# Allegro board MYD-Y6ULX_TEST_V10A.brd (continued)
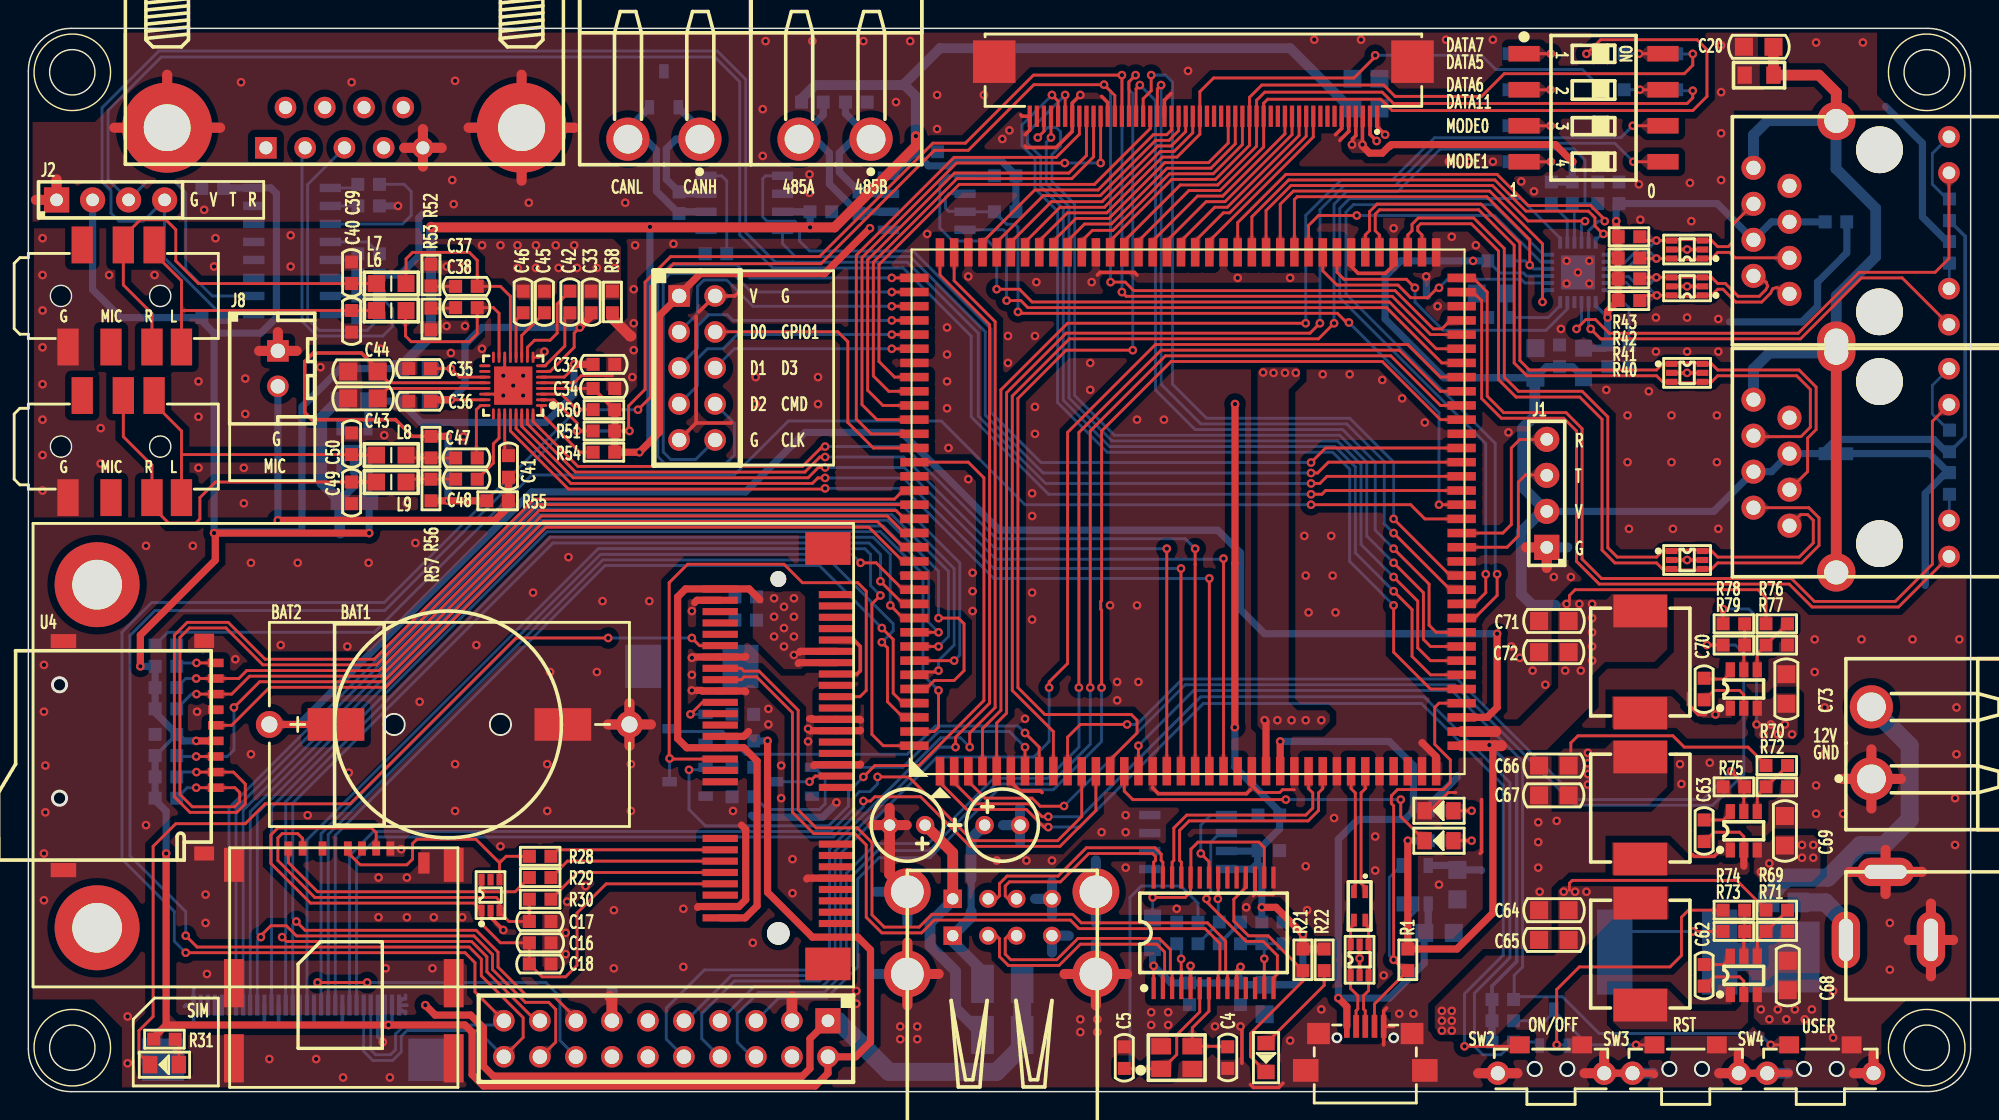
[diagram p0: board, top side]
## Routing (per net, layer and track width the routed paths; a pad name or vN(x,y) marks a point on that pad's centre or on a via; arc(x,y) is an arc through that point) (continued)
CSI_DATA5: length 92.3
  TOP w0.203: J14.17 35.8,5 32.34,8.46 32.34,9.51 31.26,10.59 18.21,10.59 v1(17.9,10.9) ; U1.131 61.7,33.4 v1(60.8,34.3)
  BOTTOM w0.203: v1(60.8,34.3) 60.8,37.9 59.6,39.1 36.8,39.1 18.15,20.45 18.15,11.15 v1(17.9,10.9) 18.15,10.65 J11.17
CSI_DATA6: length 92.1
  TOP w0.203: v1(60.1,36) 61.7,34.4 U1.130 ; J14.15 38.62,5.18 37.11,6.69 35.22,6.69 33.13,8.78 33.13,9.84 31.59,11.38 19.52,11.38 v1(18.9,12)
  BOTTOM w0.203: v1(60.1,36) 60.1,37.9 59.3,38.7 37,38.7 18.65,20.35 18.65,12.25 v1(18.9,12) 18.65,11.75 J11.16
CSI_DATA7: length 85.6
  TOP w0.203: v1(58.7,37.3) 59.8,37.3 61.7,35.4 U1.129 ; v1(23.9,7.7) v1(20.4,7.7)
  BOTTOM w0.203: J11.12 20.65,7.45 v1(20.4,7.7) 20.65,7.95 20.65,18.19 40.36,37.9 58.1,37.9 v1(58.7,37.3) ; J14.16 38.62,2.48 37.5,3.6 37.5,6.7 36.5,7.7 v1(23.9,7.7)
CSI_HSYNC: length 70.1
  TOP w0.203: v1(60.2,31.7) 60.6,31.3 60.6,27.5 61.7,26.4 U1.138
  BOTTOM w0.203: J11.11 21.15,18.14 40.52,37.51 56.49,37.51 61,33 61,32.5 v1(60.2,31.7)
CSI_MCLK: length 76.6
  TOP w0.203: v1(60.1,35) 59.5,34.4 59.5,25.2 60.3,24.4 U1.140
  BOTTOM w0.203: v1(60.1,35) 59.4,35.7 59.4,37.9 59,38.3 40.2,38.3 19.65,17.75 J11.14
CSI_PIXCLK: length 82.3
  TOP w0.203: U1.139 63.9,25.4 64.2,25.7 v1(64.2,28.3)
  BOTTOM w0.203: J11.19 17.15,20.05 36.6,39.5 60.1,39.5 63.1,36.5 63.1,29.4 v1(64.2,28.3)
CSI_VSYNC: length 67
  TOP w0.203: U1.137 61.7,27.4 61,28.1 61,31.9 v1(60.2,32.7)
  BOTTOM w0.203: v1(60.2,32.7) 55.79,37.11 40.68,37.11 21.65,18.08 J11.10
DN: length 7.9
  TOP w0.203: USB1.2 93.65,5.71 93.77,5.83 93.77,6.77 93.27,7.28 U3.1 93.24,8.23 93.24,10.37 U3.6 93.27,11.56 93.5,11.8 L1.3
DP: length 7.8
  TOP w0.203: USB1.3 94.3,5.71 94.18,5.83 94.18,6.77 94.53,7.13 U3.3 94.6,8.27 94.6,10.33 U3.4 94.53,11.56 94.3,11.8 L1.4
ENET2_CRS_DV: length 20.4
  TOP w0.203: v1(93.7,61.8) 91,61.8 90.3,61.1 U1.80
  BOTTOM w0.203: U12.11 106.67,58.53 103.4,61.8 v1(93.7,61.8)
ENET2_RXD0: length 18.6
  TOP w0.203: v1(99.5,56.7) 99.4,56.6 99.3,56.6 98.7,56 97.5,56 96.61,56.89 92.31,56.89 91.3,57.9 U1.79
  BOTTOM w0.203: v1(99.5,56.7) 100.1,57.3 105.3,57.3 105.56,57.03 U12.8
ENET2_RXD1: length 29
  TOP w0.203: v1(106.8,55.7) 106.8,59.8 103.08,63.52 89.23,63.52 88.3,62.59 U1.82
  BOTTOM w0.203: v1(106.8,55.7) 106.8,56.33 107,56.53 U12.7
ENET2_RXER: length 26.4
  TOP w0.203: v1(105.9,58.3) 105.9,60.1 102.87,63.13 89.5,63.13 89.3,62.92 U1.81
  BOTTOM w0.203: U12.10 106.17,58.03 v1(105.9,58.3) 105.6,58.6 R49.2
ENET2_TX_CLK: length 21
  TOP w0.203: U1.78 92.3,57.8 92.8,57.3 97.2,57.3 v1(97.8,56.7)
  BOTTOM w0.203: v1(97.8,56.7) 97.8,55.7 99.8,53.7 107.04,53.7 108.55,55.21 U12.5
ENET2_TXD0: length 33.1
  TOP w0.203: U1.85 85.3,61.3 88.7,64.7 103.6,64.7 105.8,62.5 110.2,62.5 111.19,61.51 v1(111.19,61.4)
  BOTTOM w0.203: U12.17 110.05,60.72 110.73,61.4 v1(111.19,61.4)
ENET2_TXD1: length 31.2
  TOP w0.203: U1.84 86.3,61.71 88.9,64.31 103.44,64.31 105.64,62.11 110.04,62.11 110.5,61.64 110.5,61.07 111.07,60.5 v1(111.1,60.5)
  BOTTOM w0.203: U12.18 110.55,60.05 111,60.5 v1(111.1,60.5)
ENET2_TXEN: length 28.8
  TOP w0.203: v1(109.8,61.4) 109.79,61.41 105.77,61.41 103.27,63.91 89.06,63.91 87.3,62.15 U1.83
  BOTTOM w0.203: v1(109.8,61.4) 109.55,61.15 U12.16
ENET_MDC: length 50.7
  TOP w0.203: U1.47 102,34.4 102.8,35.2 v1(102.8,36.5)
  BOTTOM w0.203: v1(102.8,36.5) 102.8,45.7 92.5,56 92.5,62.3 93.2,63 105.25,63 108.05,60.2 U12.13
ENET_MDIO: length 50.6
  TOP w0.203: U1.46 102,33.4 103.6,35 v1(103.6,36.5)
  BOTTOM w0.203: v1(103.6,36.5) 103.46,36.64 103.46,45.74 92.94,56.26 92.94,62.04 93.47,62.57 103.33,62.57 106.86,59.03 U12.12
ENET_RST: length 88.2
  TOP w0.203: U1.9 72.3,25.4 69.4,28.3 69.4,49.07 73.43,53.1 91,53.1 v1(92.1,54.2)
  BOTTOM w0.203: U12.15 109.05,62.49 R46.1 109.8,62.64 ; 109.8,62.64 C24.2 ; 109.8,62.64 109.8,65.7 109,66.5 99.6,66.5 96.6,63.5 93,63.5 92.1,62.6 v1(92.1,54.2)
ETH1_LED1: length 54.5
  TOP w0.203: J5.9 131.91,34.18 125.82,34.18 124.2,35.8 110.8,35.8 109.2,37.4 109.2,46.6 108.3,47.5 103.9,47.5 102.51,48.89 102.51,55.79 101.9,56.4 U1.69
ETH1_LED2: length 65.2
  TOP w0.203: U1.70 101.9,57.4 102.9,56.4 102.9,49.06 104.06,47.89 108.46,47.89 109.59,46.76 109.59,37.56 110.96,36.19 124.36,36.19 125.98,34.58 131.68,34.58 134.3,37.2 134.3,47.28 J5.11
ETH1_RXN: length 51.1
  TOP w0.203: U1.75 95.3,60.43 95,60.73 95,61.9 95.3,62.2 102.3,62.2 104.8,59.7 104.8,51.4 105.7,50.5 114.84,50.5 115.27,50.06 115.91,50.06 115.97,50 118.03,50 118.09,50.06 118.73,50.06 119.16,50.5 124.73,50.5 125.69,49.53 125.69,46.87 125.03,46.2 123.72,46.2 123.72,46.2 121.75,46.2 J5.6
ETH1_RXP: length 53.4
  TOP w0.203: J5.3 125.5,43.74 125.5,46.1 126.1,46.7 126.1,49.7 124.9,50.9 119.16,50.9 118.73,51.34 U11.6 118.03,51.4 115.97,51.4 U11.1 115.27,51.34 114.84,50.9 105.87,50.9 105.21,51.57 105.21,59.87 102.47,62.61 95.13,62.61 94.6,62.07 94.6,60.73 94.3,60.43 U1.76
ETH1_TXN: length 58.7
  TOP w0.203: J5.2 125.59,41.19 126.31,40.47 126.31,38.53 125.07,37.3 119.16,37.3 118.73,36.87 U10.4 118.03,36.8 115.97,36.8 U10.3 115.27,36.87 114.84,37.3 111.9,37.3 111,38.2 111,47.43 109.43,48.99 104.93,48.99 103.7,50.23 103.7,59.3 101.78,61.22 98.21,61.22 98,61.01 98,60.73 98.3,60.43 U1.72
ETH1_TXP: length 55.8
  TOP w0.203: U1.73 97.3,60.43 97.6,60.73 97.6,61.18 98.04,61.62 101.95,61.62 104.11,59.47 104.11,50.39 105.1,49.4 109.6,49.4 111.41,47.59 111.41,38.37 112.07,37.7 114.84,37.7 115.27,38.13 U10.1 115.97,38.2 118.03,38.2 U10.6 118.73,38.13 119.16,37.7 124.9,37.7 125.9,38.7 125.9,40.3 125.5,40.7 125,40.7 J5.1
ETH2_LED1: length 37.2
  TOP w0.203: v1(109.2,53.8) 109.86,54.46 110.53,54.46 111.5,53.49 124.84,53.49 129.14,57.79 134.49,57.79 135.47,58.77 J6.11
  BOTTOM w0.203: U12.3 109.55,54.15 v1(109.2,53.8)
ETH2_LED2: length 30.7
  TOP w0.203: J6.9 132.17,57.4 129.3,57.4 125,53.1 110.9,53.1 v1(110.2,53.8)
  BOTTOM w0.203: v1(110.2,53.8) 110.05,53.95 U12.2
ETH2_RXN: length 14.4
  TOP w0.203: R43.1 113.93,60.03 v1(114.83,60.03) U14.4 115.97,60.1 118.03,60.1 U14.3 118.73,60.03 119.16,59.6 119.9,59.6 120.2,59.9 120.2,61.14 J6.6
  BOTTOM w0.203: v1(114.83,60.03) 114.4,59.6 113.73,59.6 112.62,58.49 112.26,58.49 112.21,58.53 U12.20
ETH2_RXP: length 15.1
  TOP w0.203: R42.1 113.7,58.77 v1(114.83,58.77) U14.6 115.97,58.7 118.03,58.7 U14.1 118.73,58.77 119.16,59.2 120,59.2 120.39,58.81 J6.3
  BOTTOM w0.203: U12.21 112.21,58.03 112.26,58.08 112.78,58.08 113.9,59.2 114.4,59.2 v1(114.83,58.77)
ETH2_TXN: length 15.1
  TOP w0.203: J6.2 122.59,57.09 122.68,56.82 122.55,56.56 122.09,56.1 120.6,56.1 119.7,57 119.16,57 118.73,57.44 118.09,57.44 118.07,57.46 115.93,57.46 115.91,57.44 v1(114.83,57.44) 113.76,57.44 R41.1
  BOTTOM w0.203: U12.22 112.21,57.53 112.26,57.49 112.87,57.49 113.35,57 114.4,57 v1(114.83,57.44)
ETH2_TXP: length 15.8
  TOP w0.203: J6.1 123.32,56.73 123.04,56.63 122.88,56.32 122.26,55.69 120.43,55.69 119.53,56.6 119.16,56.6 118.73,56.16 U13.1 118.03,56.1 115.97,56.1 U13.6 v1(114.86,56.16) 114.03,56.16 R40.1
  BOTTOM w0.203: U12.23 112.21,57.03 112.26,57.08 112.7,57.08 113.19,56.6 114.4,56.6 114.83,56.16 v1(114.86,56.16)
HOST1_USB_DM: length 16.1
  TOP w0.203: U6.27 80.03,16.18 79.9,16.31 79.9,16.76 79.46,17.2 74.63,17.2 72.63,15.21 69.03,15.21 68.5,14.67 68.5,13.8 68.29,13.6 USB2.6
HOST1_USB_DP: length 14.8
  TOP w0.203: U6.28 79.38,16.18 79.5,16.31 79.5,16.59 79.29,16.8 74.8,16.8 72.8,14.8 69.2,14.8 68.9,14.5 68.9,13.8 69.11,13.6 USB2.7
HOST2_USB_DM: length 17.5
  TOP w0.203: U6.2 80.03,8.38 80.15,8.51 80.15,9.85 79.6,10.4 74.2,10.4 72.7,8.9 69.13,8.9 68.5,9.53 68.5,10.8 68.29,11 USB2.2
HOST2_USB_DP: length 17.5
  TOP w0.203: USB2.3 69.11,11 68.9,10.8 68.9,9.7 69.29,9.31 72.53,9.31 74.03,10.81 79.77,10.81 80.55,10.02 80.55,8.51 80.67,8.38 U6.3
I2C2_SCL: length 208.9
  TOP w0.203: U1.66 98.9,53.4 96.2,56.1 77.43,56.1 v1(77.13,56.4) ; J10.37 v1(77.13,71.7) 70.89,71.7 66.09,66.9 63.8,66.9 55.8,58.9 45.3,58.9 43.5,57.1 43.5,49.53 42.34,48.37 42.34,46.66 v1(42.4,46.6) ; R51.1 v1(38.7,46.6) 38.7,47.17 37.07,48.79 36.36,48.79 36.36,48.79 36.21,48.79 U15.2 ; J14.20 34.9,3.82 34.9,5.22 31.95,8.17 31.95,9.35 31.1,10.2 11.9,10.2 v1(11.1,11)
  BOTTOM w0.203: v1(38.7,46.6) 37.8,46.6 25.13,33.93 8.93,33.93 7.17,32.17 7.17,16.63 11.1,12.7 v1(11.1,11) ; J11.6 23.65,2.85 24.3,2.2 25.7,2.2 26.3,2.8 26.3,3.91 26.7,4.31 31.69,4.31 J14.20 ; v1(77.13,71.7) v1(77.13,56.4)
  BOTTOM w0.254: v1(42.4,46.6) v1(38.7,46.6)
I2C2_SDA: length 201.6
  TOP w0.203: R50.1 v1(38.7,48.1) 37.6,49.2 U15.3 ; J10.38 76.63,70.27 v1(75.87,71.03) 70.93,71.03 66.3,66.4 63.91,66.4 55.91,58.4 45.51,58.4 43.9,56.79 43.9,49 v1(43,48.1) ; U1.67 100.3,54.4 99.7,53.8 99.1,53.8 96.4,56.5 77.97,56.5 77.37,57.1 v1(76.33,57.1) ; v1(11.1,9.8) 30.8,9.8 31.5,9.1 31.5,7.04 J14.19
  BOTTOM w0.203: 33.7,5.16 J14.19 33.24,4.7 26.54,4.7 25.91,4.07 25.91,2.96 25.54,2.6 24.5,2.6 24.15,2.95 J11.5 ; v1(75.87,71.03) 76.33,70.57 v1(76.33,57.1) ; v1(11.1,9.8) 10.3,10.6 10.3,12.7 6.6,16.4 6.6,32.4 8.7,34.5 25.1,34.5 v1(38.7,48.1) v1(43,48.1)
LCD_DATA0: length 12.6
  TOP w0.203: U1.87 83.3,60 90.63,67.33 J10.10
LCD_DATA1: length 13.1
  TOP w0.203: J10.11 90.13,67.39 84.73,61.99 84.29,61.99 82.3,60 U1.88
LCD_DATA2: length 13.6
  TOP w0.203: U1.89 81.3,60 83.68,62.38 84.57,62.38 89.63,67.45 J10.12
LCD_DATA3: length 14
  TOP w0.203: U1.90 80.3,60 83.07,62.77 84.41,62.77 89.13,67.5 J10.13
LCD_DATA4: length 14.5
  TOP w0.203: U1.91 79.3,60 82.47,63.17 84.24,63.17 88.63,67.56 J10.14
LCD_DATA5: length 61.2
  TOP w0.203: v1(109.9,73.2) 110.9,74.2 117.7,74.2 118.4,73.5 118.4,70.2 117.4,69.2 96.2,69.2 95.4,70 87.41,70 87.13,69.72 J10.17 87.13,66.63 84.06,63.56 81.86,63.56 78.3,60 U1.92
  BOTTOM w0.203: v1(109.9,73.2) 111.03,73.2 R3.1
LCD_DATA6: length 49.3
  TOP w0.203: U1.93 77.3,60 81.25,63.95 83.9,63.95 86.63,66.69 J10.18 86.63,69.93 87.21,70.5 95.49,70.5 96.29,69.7 117,69.7 117.4,70.1 v1(117.4,70.6)
  BOTTOM w0.203: v1(117.4,70.6) 116.33,70.6 R5.1
LCD_DATA7: length 51.6
  TOP w0.203: v1(117.4,73.2) 117.4,72.4 116.8,71.8 104.1,71.8 102.5,70.2 96.4,70.2 95.6,71 87,71 86.13,70.13 J10.19 86.13,66.75 83.74,64.35 80.65,64.35 76.3,60 U1.94
  BOTTOM w0.203: v1(117.4,73.2) 116.27,73.2 R2.1
LCD_DATA8: length 16.9
  TOP w0.203: J10.20 85.63,66.8 83.57,64.74 80.48,64.74 76.49,60.75 75.05,60.75 74.3,60 U1.96
LCD_DATA9: length 17.4
  TOP w0.203: J10.21 85.13,66.86 83.41,65.13 80.32,65.13 76.39,61.2 74.5,61.2 73.3,60 U1.97
LCD_DATA10: length 17.9
  TOP w0.203: U1.98 72.3,60 73.89,61.59 76.22,61.59 80.16,65.53 83.25,65.53 84.63,66.91 J10.22
LCD_DATA11: length 48.8
  TOP w0.203: v1(95,73.1) 95,73 93.5,71.5 83.6,71.5 82.63,70.53 J10.26 82.63,67.53 81.02,65.92 80,65.92 76.06,61.99 73.29,61.99 71.3,60 U1.99
  BOTTOM w0.203: v1(95,73.1) 102.5,73.1 103.5,72.1 109.61,72.1 R7.1
LCD_DATA12: length 16.9
  TOP w0.203: U1.100 70.3,59.91 72.77,62.38 75.9,62.38 79.83,66.31 80.81,66.31 82.13,67.63 J10.27
LCD_DATA13: length 17.4
  TOP w0.203: J10.28 81.63,67.72 80.62,66.71 79.67,66.71 75.74,62.77 72.16,62.77 69.3,59.91 U1.101
LCD_DATA14: length 17.8
  TOP w0.203: U1.102 68.3,59.91 71.59,63.2 75.61,63.2 79.51,67.1 80.46,67.1 81.13,67.78 J10.29
LCD_DATA15: length 18.3
  TOP w0.203: U1.103 67.3,59.91 70.99,63.6 75.45,63.6 79.35,67.5 80.3,67.5 80.63,67.83 J10.30
LCD_DE: length 37.4
  TOP w0.203: v1(73.1,65.5) 65.47,65.5 58.8,58.83 58.8,48.46 59.86,47.4 U1.117 ; v1(75.63,65.5) J10.40
  BOTTOM w0.203: v1(73.1,65.5) v1(75.63,65.5)
LCD_DISP: length 54.5
  TOP w0.203: U1.49 100.3,36.4 v1(96.3,40.4) ; v1(79.2,71.7) 79.2,70.6 78.63,70.03 J10.34
  BOTTOM w0.203: v1(96.3,40.4) 96.3,44.4 93.2,47.5 83.1,47.5 80.7,49.9 80.7,71.2 80.2,71.7 v1(79.2,71.7)
LCD_GPIO: length 66.5
  TOP w0.203: v1(78.1,71.7) 77.63,71.23 J10.36 ; v1(77.9,52.3) 73.2,52.3 69.8,48.9 69.8,28.5 71.7,26.6 77.8,26.6 78.2,26.2 78.2,25.3 76.3,23.4 U1.13
  BOTTOM w0.203: v1(77.9,52.3) 77.9,70.4 77.6,70.7 77.6,71.2 v1(78.1,71.7)
LCD_HSYNC: length 34.2
  TOP w0.203: U1.116 60.27,48.4 59.2,49.47 59.2,58.67 65.32,64.79 73.39,64.79 74.63,66.03 J10.42
LCD_INT: length 57.5
  TOP w0.203: v1(78.4,71) 78.13,70.73 J10.35 ; v1(96.3,38.3) 98.8,35.8 98.8,32.9 99.3,32.4 U1.45
  BOTTOM w0.203: v1(96.3,38.3) 95,39.6 95,44.4 92.7,46.7 82.3,46.7 79.5,49.5 79.5,69.9 v1(78.4,71)
LCD_PCLK: length 36.6
  TOP w0.203: U1.118 59.44,46.4 58.4,47.44 58.4,59 65.3,65.9 72.5,65.9 74.13,67.53 J10.43
LCD_PWM: length 53.2
  TOP w0.203: v1(96.3,39.4) 100.3,35.4 U1.48 ; J10.32 79.63,70.73 v1(79.9,71)
  BOTTOM w0.203: v1(96.3,39.4) 95.64,40.06 95.64,44.45 92.99,47.1 82.7,47.1 79.9,49.9 v1(79.9,71)
LCD_RESET: length 33.8
  TOP w0.203: J10.33 79.13,67.93 75.19,63.99 65.66,63.99 60,58.34 60,51.5 61.1,50.4 U1.114
LCD_VSYNC: length 32.8
  TOP w0.203: J10.41 75.13,65.93 73.6,64.4 65.5,64.4 59.6,58.5 59.6,50.49 60.69,49.4 U1.115
OC1#: length 5.4
  TOP w0.203: v1(83.9,13.6) 83.92,13.62 U6.21
  BOTTOM w0.203: v1(83.9,13.6) 83.92,13.57 83.92,12.04 R26.1 84,11.94 83.12,11.06 ; 83.12,11.06 83.12,11.08 ; 83.12,11.06 R23.2
ONOFF: length 71.3
  TOP w0.203: U1.1 64.3,21.8 66.2,19.9 70.4,19.9 71.64,18.66 v1(71.94,18.66) ; SW2.3 105.1,3.2 v1(101.3,3.2)
  BOTTOM w0.203: v1(71.94,18.66) 74.16,18.66 82.88,27.38 98.26,27.38 104.03,21.61 104.03,9.63 101.3,6.9 v1(101.3,3.2)
PMIC_ON_REQ: length 76.6
  TOP w0.203: v1(73.05,20.15) 73.03,20.13 71.37,20.13 70.8,20.7 67.49,20.7 66.3,21.89 U1.3 ; R79.2 v1(118.4,31.5)
  BOTTOM w0.203: v1(73.05,20.15) 81.6,28.7 100.6,28.7 109.1,20.2 118.8,20.2 121,22.4 121,30.9 120.4,31.5 v1(118.4,31.5)
POR_B: length 71.9
  TOP w0.203: U1.2 65.3,21.8 66.8,20.3 70.6,20.3 71.5,19.4 v1(71.94,19.4)
  BOTTOM w0.203: v1(71.94,19.4) 74.24,19.4 82.69,27.85 98.45,27.85 104.5,21.8 104.5,9.44 102,6.94 102,3.2 102.6,2.6 103.86,2.6 R14.1 106.33,3.5 D3.2
POWER_EN: length 20.4
  TOP w0.203: v1(107.8,3.3) 107.8,7.2 109.4,8.8 115.8,8.8 116.6,9.6 116.6,12.3 117.1,12.8 R74.2
  BOTTOM w0.203: v1(107.8,3.3) 108.56,3.3 D3.1
PWREN1: length 8.3
  TOP w0.203: 83.28,15.1 83.28,16.23 v1(82.7,16.8)
  BOTTOM w0.203: v1(82.7,16.8) 82.7,18.8 83.4,19.5 84.49,19.5 U7.5 R27.1
RS485_A: length 13.1
  BOTTOM w0.508: U18.6 58.72,62.06 R64.1 58.58,61.94 56.5,64.02 56.5,66.2 55.51,67.19 J16.2 56.06,68.89 R66.1
RS485_B: length 11.5
  BOTTOM w0.508: U18.7 58.73,63.33 R64.2 57.2,64.86 57.2,66.2 58.18,67.19 J16.1 57.64,68.99 R62.2
SAI2_BCLK: length 66.6
  TOP w0.203: U15.29 34.4,46.77 38.27,42.9 55.3,42.9 55.69,43.29 v1(56.2,43.29) ; U1.18 v1(81.3,36.9)
  BOTTOM w0.203: v1(81.3,36.9) 68.1,36.9 61.71,43.29 v1(56.2,43.29)
SAI2_MCLK: length 68.5
  TOP w0.203: v1(83.3,36.2) U1.20 ; U15.28 34,46.6 38.1,42.5 56.15,42.5 v1(56.2,42.55)
  BOTTOM w0.203: v1(83.3,36.2) 68.1,36.2 61.75,42.55 v1(56.2,42.55)
SAI2_RXD: length 66
  TOP w0.203: U15.31 35.2,47.1 38.6,43.7 54.77,43.7 55.83,44.76 v1(56.2,44.76) ; v1(80.3,38.3) U1.17
  BOTTOM w0.203: v1(80.3,38.3) 68.2,38.3 61.74,44.76 v1(56.2,44.76)
SAI2_SYNC: length 69.9
  TOP w0.203: v1(84.3,37.6) U1.21 ; U15.30 34.8,46.93 38.43,43.3 55,43.3 55.73,44.03 v1(56.2,44.03)
  BOTTOM w0.203: v1(56.2,44.03) 61.77,44.03 68.24,37.56 84.26,37.56 v1(84.3,37.6)
SAI2_TXD: length 67.8
  TOP w0.203: v1(56.2,45.5) 56,45.5 54.6,44.1 38.76,44.1 35.6,47.26 U15.32 ; v1(82.3,38.3) 82.3,37.2 U1.19
  BOTTOM w0.203: v1(56.2,45.5) 61.8,45.5 68.3,39 81.6,39 v1(82.3,38.3)
SD1_CD: length 101.6
  TOP w0.203: U1.53 98.5,40.4 97.5,41.4 v1(90.47,41.4)
  BOTTOM w0.203: v1(90.47,41.4) 70.3,41.4 64.4,47.3 53.6,47.3 49.8,43.5 35.5,43.5 24.4,32.4 9.84,32.4 R81.2
SD1_CLK: length 56.1
  TOP w0.203: U4.5 14.34,25.84 17.02,28.52 25.21,28.52 36.51,39.81 59.29,39.81 61.7,37.4 U1.127
SD1_CMD: length 62.8
  TOP w0.203: U1.126 61.7,38.4 59.89,40.21 36.34,40.21 25.05,28.91 16.31,28.91 v1(14.5,27.1) ; U4.3 v1(11.84,23.64)
  BOTTOM w0.203: R17.1 10.52,23.64 v1(11.84,23.64) 14.04,23.64 14.5,24.1 v1(14.5,27.1)
SD1_DATA0: length 58.2
  TOP w0.203: U1.125 61.79,39.4 60.59,40.6 36.18,40.6 24.89,29.31 15.61,29.31 14.34,28.04 U4.7 v1(11.86,28.04)
  BOTTOM w0.203: v1(11.86,28.04) 11.5,28.04 R18.1
SD1_DATA1: length 57.5
  TOP w0.203: U1.124 61.79,40.4 61.19,40.99 36.02,40.99 24.72,29.7 15.4,29.7 14.84,29.14 U4.8 v1(11.84,29.14)
  BOTTOM w0.203: R19.1 11.1,29.14 v1(11.84,29.14)
SD1_DATA2: length 79.2
  TOP w0.203: v1(11.84,21.44) U4.1 14.57,21.44 14.91,21.1 14.91,20.46 14.54,20.09 11.56,20.09 10.69,20.96 10.69,32.04 11.36,32.71 13.94,32.71 16.54,30.11 24.56,30.11 35.85,41.4 U1.123
  BOTTOM w0.203: v1(11.84,21.44) 11.2,21.44 R15.1
SD1_DATA3: length 82.4
  TOP w0.203: U1.122 61.7,42.4 61.09,41.79 35.69,41.79 24.39,30.5 16.7,30.5 14.1,33.1 11.2,33.1 10.3,32.2 10.3,20.8 11.4,19.7 14.7,19.7 15.3,20.3 15.3,21.7 14.46,22.54 U4.2 v1(11.86,22.54)
  BOTTOM w0.203: v1(11.86,22.54) 10.8,22.54 R16.1
SD2_CLK: length 35
  TOP w0.203: U1.108 v1(60.9,56.4)
  BOTTOM w0.203: v1(60.9,56.4) 51,56.4 49.7,57.7 45.26,57.7 44.8,57.24 44.8,57.05 44.78,57.03 44.78,45.12 45.31,44.59 47.07,44.59 J13.10
SD2_D0: length 20
  TOP w0.203: U1.109 v1(60.9,55.4)
  BOTTOM w0.203: v1(60.9,55.4) 51.1,55.4 49.26,57.24 47.64,57.24 47.2,56.8 47.2,54.88 J13.3
SD2_D1: length 19.3
  TOP w0.203: U1.110 v1(60.9,54.4)
  BOTTOM w0.203: v1(60.9,54.4) 49.7,54.4 49.3,54.8 48,54.8 47.2,54 47.2,52.46 45.9,51.16 J13.5
SD2_D2: length 19.7
  TOP w0.203: U1.111 v1(60.9,53.4)
  BOTTOM w0.203: J13.7 47.2,49.8 47.2,51.7 47.9,52.4 49,52.4 50,53.4 v1(60.9,53.4)
SD2_D3: length 14.6
  TOP w0.203: U1.112 v1(60.9,52.4)
  BOTTOM w0.203: J13.6 49.8,52.4 v1(60.9,52.4)
SD_CMD: length 41.6
  TOP w0.203: U1.107 v1(60.9,57.4)
  BOTTOM w0.203: v1(60.9,57.4) 50.9,57.4 50,58.3 45.3,58.3 44.4,57.4 44.4,57.21 44.39,57.2 44.39,44.81 45,44.2 49.1,44.2 49.8,44.9 49.8,47.15 J13.8
SIM_CLK: length 12.4
  TOP w0.203: R29.1 38.02,16.26 U8.12
SIM_DATA: length 12.7
  TOP w0.203: R30.1 38.75,15.46 U8.10
SIM_RST: length 12.1
  TOP w0.203: U8.14 37.32,17.06 R28.1
SIM_VDD: length 52.2
  TOP w0.203: CON1.1 24.54,18.27 24.2,18.6 17.6,18.6 17.1,18.1 17.1,16.1 19.9,13.3 31.44,13.3 U9.1 32,12.74 32,11.8 33.3,10.5 C16.1 C18.2 36.24,8.1 37.9,8.1 38.7,8.9 38.7,12.6 40.76,14.66 U8.8
SNVS_TAMPER0: length 70.5
  TOP w0.203: SW4.3 v1(122.9,3.3) ; U1.15 v1(78.3,24.4)
  BOTTOM w0.203: v1(78.3,24.4) 82.2,28.3 100.4,28.3 105.4,23.3 105.4,8.8 104.8,8.2 104.8,6.7 ; 104.8,6.7 104.76,6.66 R13.1 ; 104.8,6.7 108.2,6.7 110.8,4.1 122.1,4.1 v1(122.9,3.3)